# Altium PCB fastic-readout.PcbDoc (part 3 of 6) (continued)
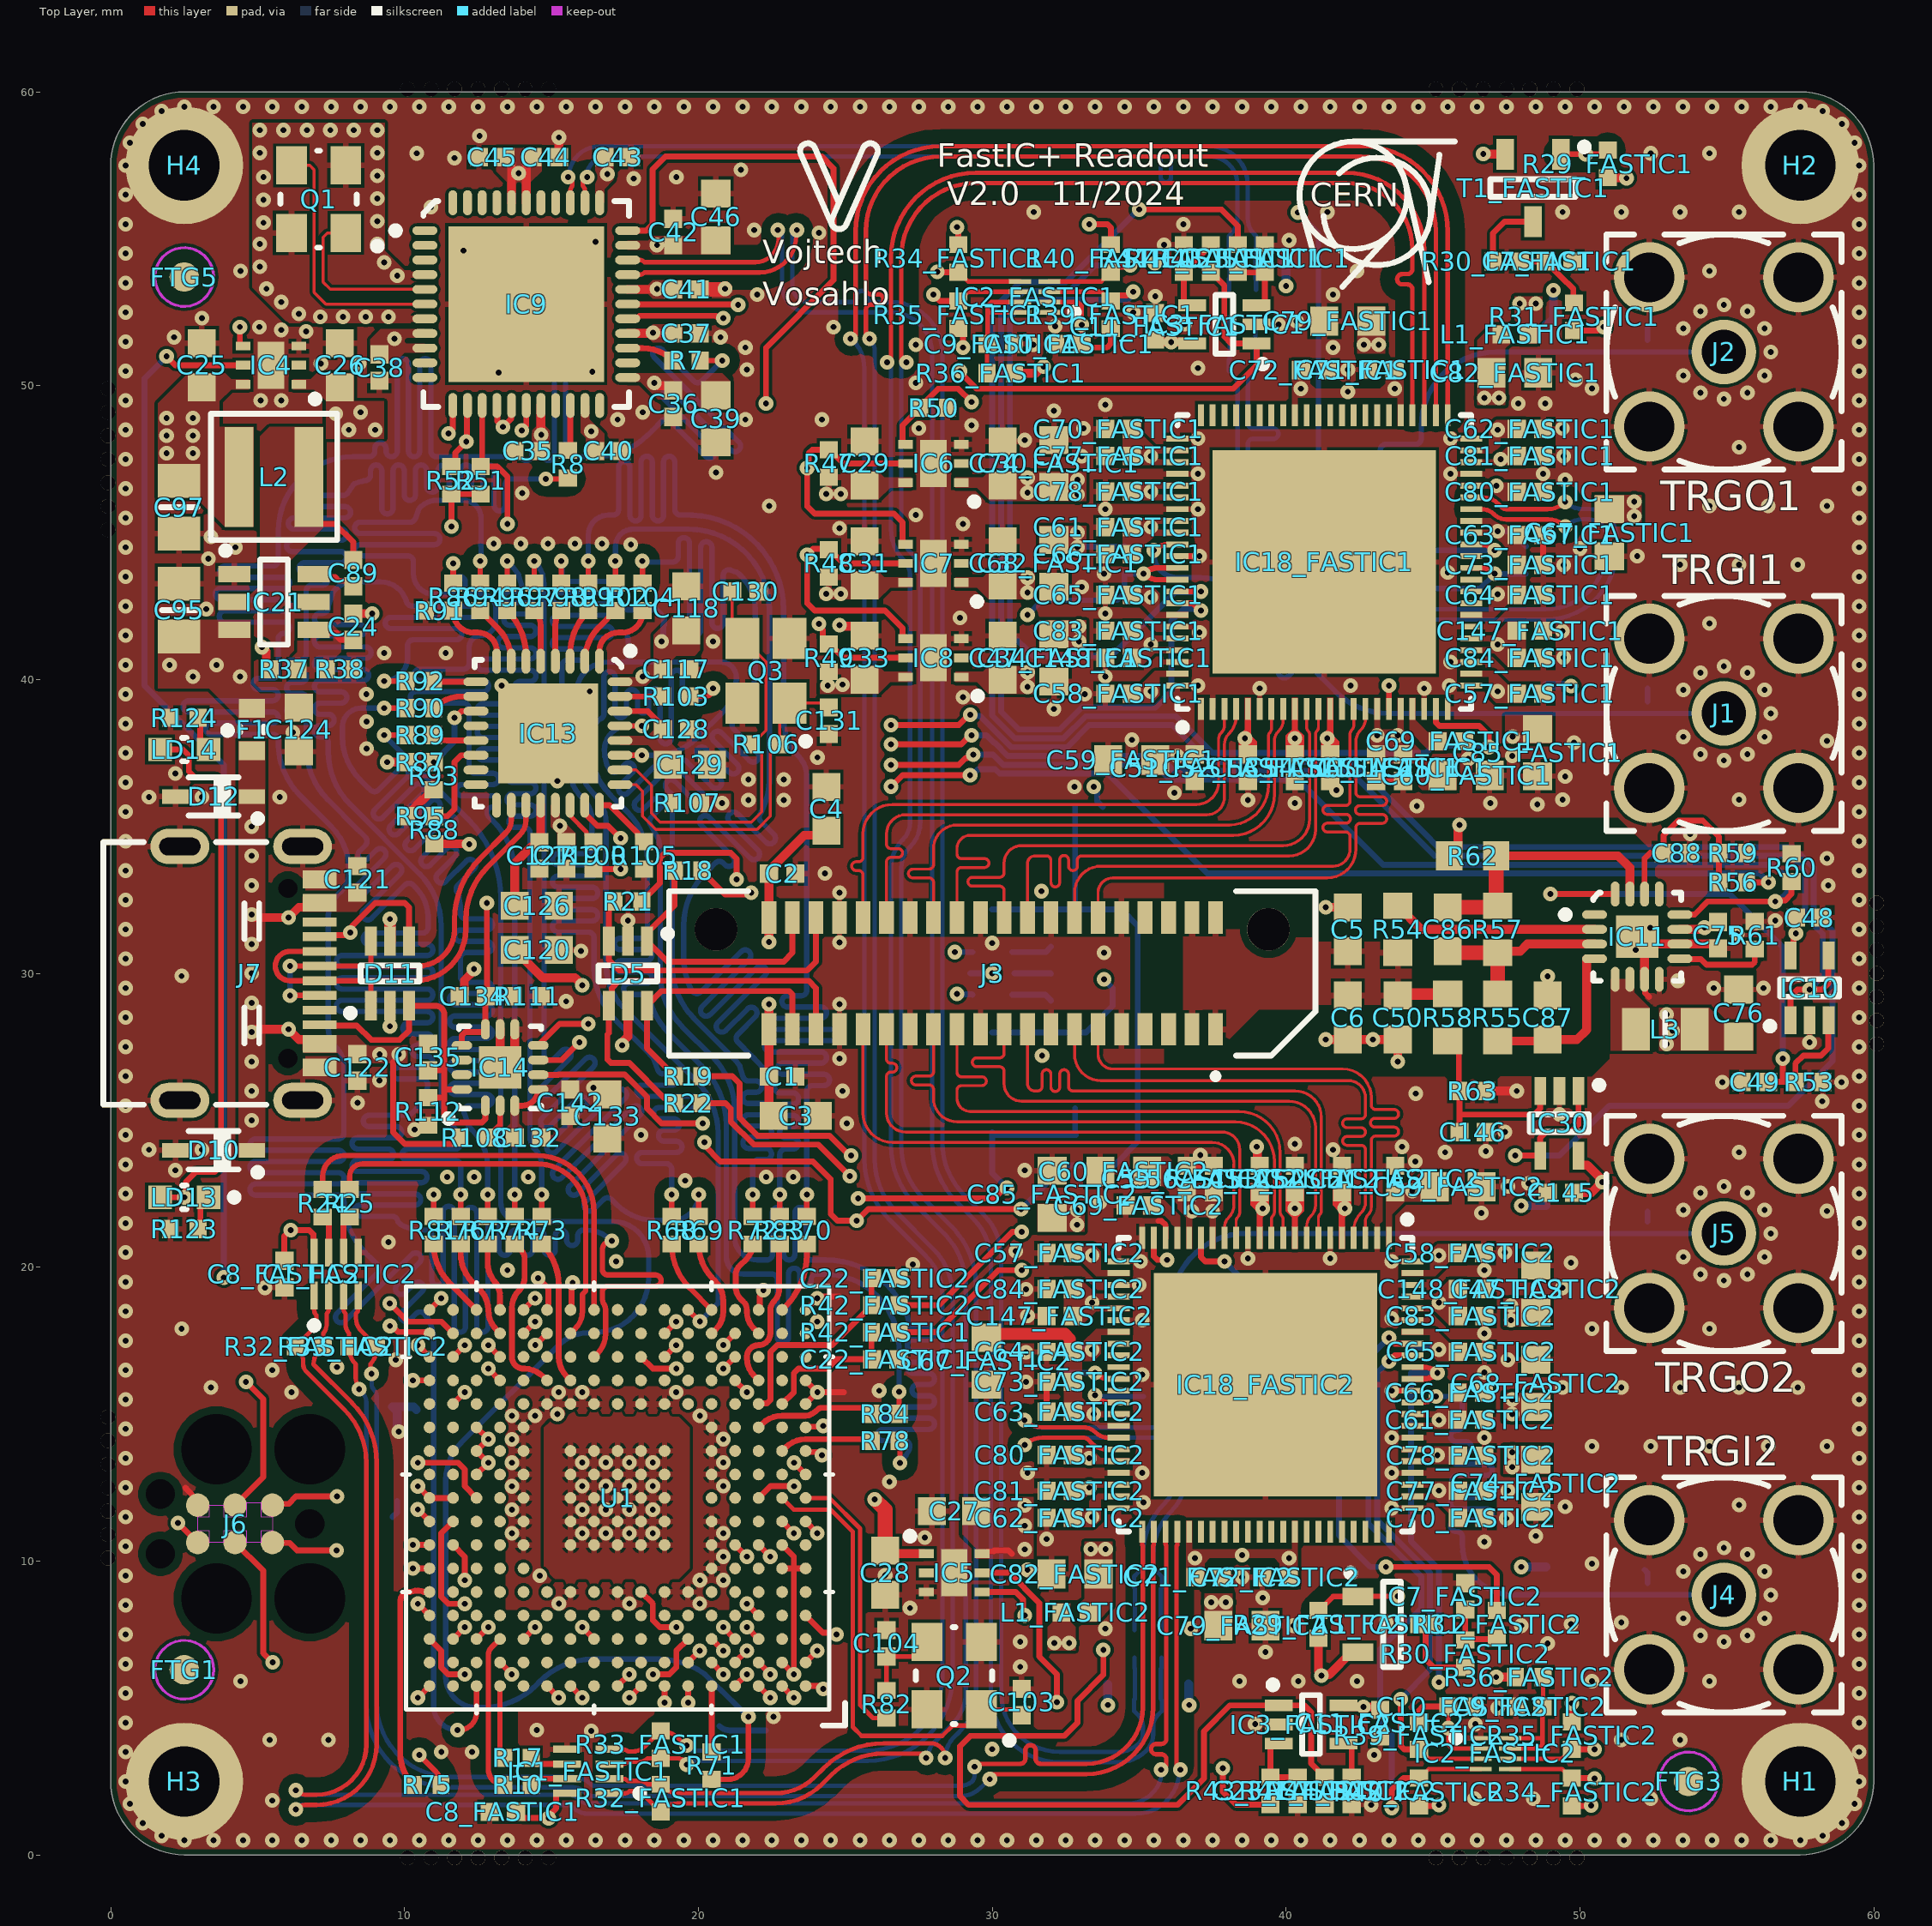
[diagram p0: Top Layer view]
## Nets (pads, with @x,y where several pads share a name; then routed paths per layer and width w, separated by ;. In a path a pad name is that pad's centre, name@x,y a point inside that pad or via, vN(x,y) a via of type N, cw(c..) or ccw(c..) an arc to the next point about the centre after c; other vN are vias at no path point) (continued)
IN3_FASTIC1: IC18_FASTIC1.8 J3.24 | length 19.1
  Top Layer w0.1: J3.24@28.8,31.9 28.8,33.107 28.8,33.457 cw(c28.95,33.457) 28.95,33.607 29.736,33.607 ccw(c29.736,33.757) 29.736,33.907 28.95,33.907 cw(c28.95,34.057) 28.8,34.057 28.8,34.25 cw(c29.25,34.25) 28.8,34.258 cw(c29.25,34.25) 29.25,34.7 38.2,34.7 ccw(c38.2,36.1) 39.6,36.1 39.6,37.9 cw(c40.083,37.9) 39.741,38.241 39.75,38.25 ccw(c39.388,38.612) 39.9,38.612 IC18_FASTIC1.8@39.9,39
IN3_FASTIC2: IC18_FASTIC2.8 J3.19 | length 19
  Top Layer w0.1: J3.19@30.4,28.1 30.4,27.55 30.4,27.275 cw(c30.25,27.275) 30.25,27.125 29.471,27.125 ccw(c29.471,26.975) 29.471,26.825 30.25,26.825 cw(c30.25,26.675) 30.4,26.675 30.4,26.625 30.4,26.25 ccw(c31,26.25) 31,25.65 40.1,25.65 cw(c40.1,24.75) 41,24.75 41,22.1 cw(c40.517,22.1) 40.859,21.759 40.85,21.75 ccw(c41.212,21.388) 40.7,21.388 IC18_FASTIC2.8@40.7,21
IN4_FASTIC1: IC18_FASTIC1.10 J3.20 | length 19.1
  Top Layer w0.1: J3.20@30.4,31.9 30.4,32.77 30.4,32.82 ccw(c30.25,32.82) 30.25,32.97 29.324,32.97 cw(c29.324,33.12) 29.324,33.27 30.25,33.27 ccw(c30.25,33.42) 30.4,33.42 30.4,33.669 30.4,33.75 cw(c31,33.75) 31,34.35 39.9,34.35 ccw(c39.9,35.25) 40.8,35.25 40.8,38.129 ccw(c40.629,38.129) 40.75,38.25 cw(c40.871,38.371) 40.7,38.371 IC18_FASTIC1.10@40.7,39
IN4_FASTIC2: IC18_FASTIC2.10 J3.23 | length 19.1
  Top Layer w0.1: J3.23@28.8,28.1 28.8,26.681 28.8,26.631 ccw(c28.95,26.631) 28.95,26.481 29.647,26.481 cw(c29.647,26.331) 29.647,26.181 28.95,26.181 ccw(c28.95,26.031) 28.8,26.031 28.8,25.795 28.8,25.75 ccw(c29.25,25.75) 29.25,25.3 38.4,25.3 cw(c38.4,23.9) 39.8,23.9 39.8,21.871 ccw(c39.971,21.871) 39.85,21.75 cw(c39.729,21.629) 39.9,21.629 IC18_FASTIC2.10@39.9,21
IN5_FASTIC1: IC18_FASTIC1.11 J3.18 | length 19.1
  Top Layer w0.1: J3.18@31.2,31.9 31.2,33.75 cw(c31.45,33.75) 31.45,34 31.496,34 31.846,34 cw(c31.846,33.85) 31.996,33.85 31.996,33.095 ccw(c32.146,33.095) 32.296,33.095 32.296,33.866 cw(c32.446,33.866) 32.596,33.866 32.596,33.651 ccw(c32.746,33.651) 32.896,33.651 32.896,33.85 cw(c33.046,33.85) 33.046,34 33.286,34 40.104,34 ccw(c40.104,34.896) 41,34.896 41,38.129 cw(c41.171,38.129) 41.05,38.25 ccw(c40.929,38.371) 41.1,38.371 IC18_FASTIC1.11@41.1,39
IN5_FASTIC2: IC18_FASTIC2.11 J3.25 | length 19.1
  Top Layer w0.1: J3.25@28,28.1 28,27.004 28,26.654 cw(c27.85,26.654) 27.85,26.504 27.397,26.504 ccw(c27.397,26.354) 27.397,26.204 27.85,26.204 cw(c27.85,26.054) 28,26.054 28,25.753 28,25.75 ccw(c28.8,25.75) 28.8,24.95 38.272,24.95 cw(c38.25,23.6) 39.6,23.6 39.6,21.871 cw(c39.429,21.871) 39.55,21.75 ccw(c39.671,21.629) 39.5,21.629 IC18_FASTIC2.11@39.5,21
IN6_FASTIC1: IC18_FASTIC1.14 J3.14 | length 19.1
  Top Layer w0.1: J3.14@32.8,31.9 32.8,32.75 cw(c33.7,32.75) 33.7,33.65 41.6,33.65 ccw(c41.6,34.225) 42.175,34.225 42.175,34.614 42.175,34.664 ccw(c42.025,34.664) 42.025,34.814 41.403,34.814 cw(c41.403,34.964) 41.403,35.114 42.038,35.114 ccw(c42.038,35.264) 42.038,35.414 41.403,35.414 cw(c41.403,35.564) 41.403,35.714 42.025,35.714 ccw(c42.025,35.864) 42.175,35.864 42.175,36.211 42.175,38.119 cw(c42.431,38.119) 42.25,38.3 ccw(c42.129,38.421) 42.3,38.421 IC18_FASTIC1.14@42.3,39
IN6_FASTIC2: IC18_FASTIC2.14 J3.29 | length 19.1
  Top Layer w0.1: J3.29@26.4,28.1 26.4,27.143 26.4,27.093 ccw(c26.55,27.093) 26.55,26.943 26.603,26.943 cw(c26.603,26.793) 26.603,26.643 26.55,26.643 ccw(c26.55,26.493) 26.4,26.493 26.4,25.878 26.4,25.25 ccw(c27.05,25.25) 27.05,24.6 37.825,24.6 cw(c37.825,24.004) 38.421,24.004 38.425,24.004 38.425,21.881 cw(c38.169,21.881) 38.35,21.7 ccw(c38.471,21.579) 38.3,21.579 IC18_FASTIC2.14@38.3,21
IN7_FASTIC1: IC18_FASTIC1.15 J3.12 | length 19
  Top Layer w0.1: J3.12@33.6,31.9 33.6,32.75 cw(c34.1,32.75) 34.1,33.25 41.398,33.25 ; 41.399,33.25 ccw(c41.399,34.226) 42.335,33.95 ccw(c41.399,34.226) 42.375,34.226 42.375,34.609 42.375,34.959 cw(c42.525,34.959) 42.525,35.109 43.274,35.109 ccw(c43.274,35.259) 43.274,35.409 42.507,35.409 cw(c42.507,35.559) 42.507,35.709 43.274,35.709 ccw(c43.274,35.859) 43.274,36.009 42.525,36.009 cw(c42.525,36.159) 42.375,36.159 42.375,36.619 42.375,37.878 cw(c42.972,37.878) 42.55,38.3 ccw(c42.188,38.662) 42.7,38.662 IC18_FASTIC1.15@42.7,39
IN7_FASTIC2: IC18_FASTIC2.15 J3.31 | length 19.1
  Top Layer w0.1: J3.31@25.6,28.1 25.6,25.25 ccw(c26.6,25.25) 26.6,24.25 37.475,24.25 cw(c37.475,23.5) 38.225,23.5 38.225,22.122 cw(c37.628,22.122) 38.05,21.7 ccw(c38.412,21.338) 37.9,21.338 IC18_FASTIC2.15@37.9,21
INTn: IC9.33 U1.C4 | length 70.5
  Top Layer w0.2: IC9.33@17.898,55.313 17.623,55.313 IC9.33@17.59,55.28 18.219,55.28 18.439,55.5 18.439,57.362 18.877,57.8 24.2,57.8 24.6,57.4 24.6,53.594 22.3,51.294 v1(22.3,49.4) ; v1(20.85,7.746) U1.C4@21.248,7.348
  L05 - Signal w0.2: v1(20.85,7.746) 20.85,8.531 21.769,9.45 25.019,9.45 25.09,9.45 28.1,12.46 28.1,12.531 28.1,16.387 26.7,17.787 26.7,20.213 27.335,20.848 27.335,23.857 26.55,24.642 26.55,32.71 27.25,33.41 27.25,38.463 26.95,38.763 26.95,44.055 26.1,44.905 26.1,46.89 26.1,47.745 24.445,49.4 v1(22.3,49.4)
LED_STAT_B: LD15.1 U1.B3 | length 42.1
  Top Layer w0.2: U1.B3@22.048,6.548 v1(22.446,6.15)
  L05 - Signal w0.2: v1(22.446,6.15) 21.941,5.646 21.351,5.646 20.802,5.097 20.802,4.303 21.507,3.598 24.793,3.598 30.55,9.355 30.55,17.401 29.95,18.001 29.95,27.709 30.65,28.409 30.65,31.342 30.249,31.743 28.943,31.743 28.65,31.45 v1@28.65,30.732
  Bottom Layer w0.2: v1@28.65,30.73 28.655,30.725 LD15.1@29.325,30.725
  other v1: 28.727,30.725
LED_STAT_G: LD15.5 U1.A2 | length 30.6
  Top Layer w0.2: U1.A2@22.848,5.748 v1(23.246,5.35)
  L05 - Signal w0.2: v1(23.246,5.35) 23.246,4.854 23.717,4.383 24.483,4.383 29.85,9.75 29.85,17.112 29.25,17.712 29.25,28.85 v1(28.8,29.3)
  Bottom Layer w0.2: v1(28.8,29.3) 28.812,29.288 29.313,29.288 LD15.5@29.325,29.275
LED_STAT_R: LD15.3 U1.A3 | length 35.7
  Top Layer w0.2: U1.A3@22.048,5.748 v1(22.446,5.35)
  L05 - Signal w0.2: v1(22.446,5.35) 22.391,5.296 21.496,5.296 21.152,4.952 21.152,4.448 21.652,3.948 24.648,3.948 30.2,9.5 30.2,17.257 29.6,17.857 29.6,29.6 v1(30,30)
  Bottom Layer w0.2: LD15.3@29.25,30 v1(30,30)
LED_USB: LD13.2 LD14.2 U1.T16 | length 31.7
  Top Layer w0.2: LD13.2@1.675,22.38 v1(2.5,22.38) 2.557,22.437 2.557,22.907 2.9,23.25 3.539,23.25 3.75,23.461 3.75,36.487 3.567,36.67 2.862,36.67 2.657,36.874 2.657,37.416 2.453,37.62 LD14.2@1.675,37.62 ; v1(9.489,18.766) 10.107,18.148 11.248,18.148 U1.T16@11.648,17.748
  L05 - Signal w0.2: v1(2.5,22.38) 2.5,21.17 3.02,20.65 4.2,20.65 4.6,20.25 4.6,18.8 5.05,18.35 9.073,18.35 v1(9.489,18.766)
LOLn: IC9.27 U1.D3 | length 56.4
  Top Layer w0.2: IC9.27@17.59,52.28 17.892,52.28 17.992,52.38 20.583,52.38 20.605,52.357 20.793,52.357 v1(20.85,52.3) ; v1(21.65,8.546) U1.D3@22.048,8.148
  L05 - Signal w0.2: v1(20.85,52.3) 20.9,52.25 21.436,52.25 21.506,52.18 22.16,52.18 26.45,47.89 26.45,45.05 27.3,44.2 27.3,38.908 27.6,38.608 27.6,33.265 27.177,32.842 27.177,28.731 27.85,28.058 27.85,17.132 28.45,16.532 28.45,12.6 28.45,12.315 25.235,9.1 24.95,9.1 22.204,9.1 v1(21.65,8.546)
LOSn: IC9.28 U1.C3 | length 58.9
  Top Layer w0.2: IC9.28@17.59,52.78 17.605,52.765 21.335,52.765 v1(21.35,52.75) ; v1(21.65,7.746) U1.C3@22.048,7.348
  L05 - Signal w0.2: v1(21.35,52.75) 21.431,52.75 21.651,52.53 22.305,52.53 26.8,48.035 26.8,45.195 27.65,44.345 27.65,39.053 27.95,38.753 27.95,33.12 27.527,32.697 27.527,28.876 28.2,28.203 28.2,17.277 28.8,16.677 28.8,10.216 27.882,9.298 26.853,9.298 26.305,8.75 22.654,8.75 v1(21.65,7.746)
LVDS2_N: IC9.30 R1.1 R4.1 R129.2 | length 70.7
  Top Layer w0.15: IC9.30@17.59,53.78 17.984,53.78 ccw(c17.984,54.036) 18.165,53.855 22.083,53.855 ccw(c22.083,55.097) 23.325,55.097 v1@23.325,55.3
  Bottom Layer w0.15: v1@23.325,55.3 ccw(c23.325,55.175) 23.2,55.175 23.2,53.4 ccw(c23.75,53.4) 23.75,52.85 24.866,52.85 25.219,52.85 ccw(c25.219,53.025) 25.394,53.025 25.394,53.056 cw(c25.569,53.056) 25.569,53.231 cw(c25.569,53.056) 25.744,53.056 25.744,53.025 ccw(c25.919,53.025) 25.919,52.85 26.344,52.85 26.544,52.85 cw(c26.544,51.094) 28.3,51.094 28.3,37.356 28.3,24.252 ccw(c30.84,24.252) 29.044,22.456 29.703,21.797 cw(c28.26,20.355) 29.704,21.796 cw(c28.26,20.355) 30.3,20.355 30.3,5.5 ccw(c32.3,5.5) 32.3,3.5 34.276,3.5 ; 34.3,3.5 34.276,3.5 ; R4.1@34.84,6.716 34.84,6.38 ccw(c34.908,6.38) 34.86,6.331 R1.1@34.86,5.816 34.86,5.354 cw(c34.758,5.354) 34.83,5.281 R129.2@34.83,4.896 34.966,4.76 cw(c34.582,4.376) 35.125,4.376 35.125,4.102 cw(c34.698,4.102) 35,3.8 cw(c34.276,4.524) 34.276,3.5
  other v1: 23.35,55.3
LVDS2_P: IC9.31 R2.1 R3.1 R129.1 | length 70.6
  Top Layer w0.15: IC9.31@17.59,54.28 17.984,54.28 cw(c17.984,54.024) 18.165,54.205 21.938,54.205 ccw(c21.938,54.992) 22.725,54.992 v1@22.725,55.3
  Bottom Layer w0.15: v1@22.725,55.3 cw(c22.725,55.175) 22.85,55.175 22.85,53.4 ccw(c23.75,53.4) 23.75,52.5 26.544,52.5 cw(c26.544,51.094) 27.95,51.094 27.95,37.501 27.95,24.252 ccw(c30.84,24.252) 28.796,22.209 29.353,21.653 cw(c27.91,20.21) 29.95,20.21 29.95,5.5 ccw(c32.3,5.5) 32.3,3.15 34.276,3.15 ; R3.1@35.76,6.716 35.76,6.38 cw(c35.692,6.38) 35.74,6.331 R2.1@35.74,5.816 35.74,5.311 cw(c35.668,5.239) 35.77,5.239 R129.1@35.77,4.896 35.634,4.76 ccw(c36.018,4.376) 35.475,4.376 35.475,4.102 cw(c34.698,4.102) 35.247,3.553 cw(c34.276,4.524) 34.3,3.15 ; 34.276,3.15 ccw(c34.276,4.524) 34.3,3.15 ; 34.276,3.15 34.3,3.15
  other v1: 22.7,55.3
LVDS3_N: IC9.35 R11.1 R14.1 R130.2 | length 29.2
  Top Layer w0.15: IC9.35@16.14,56.23 16.14,56.624 ccw(c15.884,56.624) 16.065,56.805 16.065,57 16.147,57.082 cw(c16.19,57.04) v1@16.19,57.1
  Bottom Layer w0.15: v1@16.19,57.1 cw(c16.89,57.1) 16.89,57.8 21.258,57.8 33.6,57.8 35.133,57.8 35.558,57.8 cw(c35.558,57.625) 35.733,57.625 35.733,57.1 ccw(c35.908,57.1) 35.908,56.925 ccw(c35.908,57.1) 36.083,57.1 36.083,57.625 cw(c36.258,57.625) 36.258,57.8 36.8,57.8 37.4,57.8 cw(c37.4,56.856) 38.344,56.856 38.344,55.696 cw(c37.593,55.696) 38.124,55.165 R130.2@38.049,55.09 38.049,54.705 cw(c38.049,54.675) 38.079,54.675 R11.1@38.079,54.17 38.079,53.655 cw(c38.059,53.655) 38.059,53.635 R14.1@38.059,53.27
  other v1: 16.215,57.1
LVDS3_P: IC9.36 R12.1 R13.1 R130.1 | length 29.1
  Top Layer w0.15: v1@15.59,57.1 cw(c15.59,57.04) 15.633,57.082 15.715,57 15.715,56.805 ccw(c15.896,56.624) 15.64,56.624 IC9.36@15.64,56.23
  Bottom Layer w0.15: v1@15.59,57.1 cw(c16.64,57.1) 16.64,58.15 21.258,58.15 33.6,58.15 37.4,58.15 cw(c37.4,56.856) 38.694,56.856 38.694,55.696 ccw(c39.446,55.696) 38.914,55.165 R130.1@38.989,55.09 38.989,54.705 ccw(c38.989,54.675) 38.959,54.675 R12.1@38.959,54.17 38.959,53.635 cw(c38.959,53.615) 38.979,53.615 R13.1@38.979,53.27
  other v1: 15.565,57.1
NetC7_FASTIC1_2: C7_FASTIC1.2 R30_FASTIC1.2 R31_FASTIC1.1 | length 2.7
  Top Layer w0.2: R30_FASTIC1.2@47.98,54.23 C7_FASTIC1.2@48.84,54.23 49.23,53.84 49.23,53.837 49.347,53.72 49.35,53.72 49.777,53.293 49.777,52.843 R31_FASTIC1.1@49.8,52.82
NetC7_FASTIC2_2: C7_FASTIC2.2 R30_FASTIC2.2 R31_FASTIC2.1 | length 2.1
  Top Layer w0.2: C7_FASTIC2.2@46.1,8.346 R30_FASTIC2.2@46.1,7.316 46.13,7.346 47.145,7.346 R31_FASTIC2.1@47.175,7.376
NetC9_FASTIC1_1: C9_FASTIC1.1 IC2_FASTIC1.7 IC2_FASTIC1.8 R36_FASTIC1.1 | length 4.6
  Top Layer w0.15: R36_FASTIC1.1@29.824,50.424 29.824,51.404 C9_FASTIC1.1@29.844,51.424 29.844,52.474 ; IC2_FASTIC1.8@30.944,52.499 29.869,52.499 29.844,52.474 ; IC2_FASTIC1.7@30.944,52.849 29.969,52.849 29.844,52.724 29.844,52.474
NetC9_FASTIC2_1: C9_FASTIC2.1 IC2_FASTIC2.7 IC2_FASTIC2.8 R36_FASTIC2.1 | length 4.6
  Top Layer w0.15: IC2_FASTIC2.7@47.625,3.625 48.6,3.625 48.725,3.75 48.725,4 ; IC2_FASTIC2.8@47.625,3.975 48.7,3.975 48.725,4 ; R36_FASTIC2.1@48.745,6.05 48.745,5.07 C9_FASTIC2.1@48.725,5.05 48.725,4
NetC23_FASTIC1_2: C23_FASTIC1.2 IC3_FASTIC1.3 R43_FASTIC1.2 | length 2.3
  Top Layer w0.2: R43_FASTIC1.2@38.358,53.874 38.378,53.854 39.278,53.854 39.278,52.814 39.178,52.714 IC3_FASTIC1.3@38.998,52.714
NetC23_FASTIC2_2: C23_FASTIC2.2 IC3_FASTIC2.3 R43_FASTIC2.2 | length 2.3
  Top Layer w0.2: IC3_FASTIC2.3@39.75,3.788 39.57,3.788 39.47,3.688 R43_FASTIC2.2@39.47,2.648 40.37,2.648 C23_FASTIC2.2@40.39,2.628
NetC24_1: C24.1 IC21.4 R37.1 R38.2 | length 1.5
  Top Layer w0.2: IC21.4@6.905,41.69 7.022,41.573 7.705,41.573 7.705,41.467 7.822,41.35 C24.1@8.25,41.35
NetC69_FASTIC1_1: C69_FASTIC1.1 IC18_FASTIC1.19
NetC69_FASTIC2_1: C69_FASTIC2.1 IC18_FASTIC2.19
NetC80_FASTIC1_1: C80_FASTIC1.1 C81_FASTIC1.1 C82_FASTIC1.1 IC18_FASTIC1.40 IC18_FASTIC1.42 L1_FASTIC1.1
  other v1: 47.158,46.591 47.3,47.5 46.745,49.59 47.245,49.59
NetC80_FASTIC2_1: C80_FASTIC2.1 C81_FASTIC2.1 C82_FASTIC2.1 IC18_FASTIC2.40 IC18_FASTIC2.42 L1_FASTIC2.1
  other v1: 33.355,10.41 33.855,10.41 33.3,12.5 33.3,13.5
NetC86_1: C86.1 IC11.15 R57.1 R62.2 | length 9.1
  Top Layer w0.3: R62.2@47.15,34 51.3,34 51.7,33.6 IC11.15@51.7,32.7
  Top Layer w0.5: C86.1@45.5,32.25 47.15,32.25 R57.1@47.2,32.3 47.15,32.35 R62.2@47.15,34
NetC86_2: C86.2 IC11.3 R55.1 R57.2 | length 6.5
  Top Layer w0.3: R57.2@47.2,30.7 47.259,30.759 47.974,30.759 48.215,31 IC11.3@50.5,31
  Top Layer w0.5: C86.2@45.5,30.75 45.55,30.7 R57.2@47.2,30.7 R55.1@47.2,29.3
NetC87_2: C87.2 IC11.4 R55.2 | length 5.9
  Top Layer w0.3: R55.2@47.2,27.7 48.85,27.7 C87.2@48.9,27.75 49.9,27.75 50.225,28.075 50.225,30.5 IC11.4@50.5,30.5
NetC88_2: C88.2 IC11.14 R56.2 R59.2 | length 6.4
  Top Layer w0.2: IC11.14@52.2,32.7 52.2,33.91 52.39,34.1 C88.2@52.85,34.1 52.85,34.7 53.35,35.2 54.183,35.2 54.73,34.653 R59.2@54.73,34.1 R56.2@54.73,33.1
NetC89_1: C89.1 IC21.6 | length 1.5
  Top Layer w0.2: IC21.6@6.905,43.59 7.013,43.482 7.638,43.482 7.758,43.362 8.058,43.362 C89.1@8.25,43.17
NetC89_2: C89.2 IC21.2 L2.1 | length 3.7
  Top Layer w0.2: L2.1@6.74,46.9 6.74,45.69 7.13,45.3 7.63,45.3 8.25,44.68 C89.2@8.25,44.07
NetC94_2: C94.2 C96.2 C136.2 U1.A7 U1.D17 U1.U11 | length 29.8
  Top Layer w0.2: v1(10.45,8.546) U1.D17@10.848,8.148 ; U1.U11@15.648,18.548 15.683,18.583 15.683,19.441 v1(15.718,19.476) ; v1(18.848,5.185) U1.A7@18.848,5.748
  L04- Signal w0.5: v1(10.45,8.546) 11.25,9.346 11.25,10.158 ; v1(15.718,19.476) 14.594,20.6 12.8,20.6 11.896,19.696 11.896,18.677 11.25,18.031 11.25,10.158 ; v1(18.848,5.185) 18.848,5.624 19.1,5.877 19.1,6.592 18.392,7.3 17.6,7.3 15.919,8.981 15.919,9.773 15.534,10.158 11.25,10.158
NetC99_1: C99.1 C100.2 U1.M1 | length 0.6
  Top Layer w0.2: U1.M1@23.648,14.548 23.674,14.574 24.224,14.574 v1(24.25,14.6)
NetC103_2: C103.2 Q2.1 U1.J2 | length 15.9
  Top Layer w0.15: U1.J2@22.848,12.148 23.246,11.75 24.5,11.75 25.25,11 25.25,4.35 25.55,4.05 28.297,4.05 28.65,4.402 29.175,4.402 29.625,4.852 Q2.1@29.625,4.95 30.8,4.95 C103.2@31,4.75
NetC104_2: C104.2 Q2.3 R82.1 | length 2.8
  Top Layer w0.15: R82.1@26.4,5.6 C104.2@26.4,6.75 27.325,6.75 27.775,7.2 Q2.3@27.775,7.25
NetC126_2: C126.2 C127.2 IC13.20 | length 3.9
  Top Layer w0.3: C126.2@13.75,32.3 13.75,33.75 14.305,34.305 14.427,34.305 C127.2@14.587,34.465 ccw(c14.483,34.569) 14.63,34.569 IC13.20@14.63,35.725
NetC128_2: C128.2 C129.2 IC13.28 IC13.30 R107.1 | length 1.8
  Top Layer w0.2: IC13.30@17.33,38.925 18.275,38.925 18.79,38.41 C128.2@18.79,38.31
NetC130_2: C130.2 IC13.26 Q3.3 R106.1 | length 14.6
  Top Layer w0.1: IC13.26@17.33,36.925 17.875,36.925 18.4,36.4 18.4,35.45 18.7,35.15 21.8,35.15 22.15,35.5 22.15,37.48 R106.1@21.83,37.8 22.3,38.27 22.3,40.6 Q3.3@21.5,41.4 21.15,41.75 C130.2@21.15,43
NetC131_2: C131.2 IC13.25 Q3.1 R106.2 | length 12
  Top Layer w0.1: IC13.25@17.33,36.425 17.875,36.425 18.1,36.2 18.1,35.35 18.55,34.9 22,34.9 22.45,35.35 22.45,37.48 R106.2@22.77,37.8 22.77,38.87 Q3.1@23.1,39.2 24.29,39.2 C131.2@24.44,39.05
NetC146_2: C146.2 IC30.3 R58.1 R63.2 | length 6.7
  Top Layer w0.2: R58.1@45.55,27.65 45.58,27.65 45.88,27.35 R63.2@45.88,26 45.9,26 45.9,25.195 ; C146.2@45.9,24.6 45.9,25.195 ; IC30.3@48.65,26 48.65,25.4 48.445,25.195 45.9,25.195
NetD1_3: D1.3 D2.2 IC18_FASTIC1.76 J1.1 R9.2 | length 25.8
  Top Layer w0.182: v1(35.5,44.4) cw(c35.983,43.917) 35.983,44.6 IC18_FASTIC1.76@36.3,44.6
  Bottom Layer w0.182: v1(35.5,44.4) 35.5,44.27 ccw(c36.3,44.27) R9.2@36.3,43.47 37.094,43.47 cw(c37.094,41.709) 38.159,43.111 cw(c38.048,42.967) 38.177,43.096 39.336,41.936 39.401,41.872 39.671,41.602 cw(c39.536,41.467) 39.671,41.332 39.263,40.924 ccw(c39.398,40.789) 39.263,40.654 ccw(c39.398,40.789) 39.533,40.654 39.967,41.087 cw(c40.102,40.952) 40.237,41.087 cw(c40.102,40.952) 40.237,40.817 39.803,40.383 ccw(c39.938,40.248) 39.803,40.113 ccw(c39.938,40.248) 40.073,40.113 40.481,40.521 cw(c40.616,40.386) 40.751,40.521 41.155,40.117 41.22,40.053 41.679,39.594 ccw(c43.475,41.39) 43.475,38.85 D1.3@51.15,38.85 D2.2@52.3,38.85 J1.1@54.9,38.85
NetD3_3: D3.3 D4.2 J2.1 R20.2 | length 22.5
  Bottom Layer w0.182: R20.2@44.6,45.34 44.6,45.817 44.6,45.908 ccw(c44.409,45.908) 44.409,46.099 43.402,46.099 cw(c43.402,46.29) 43.402,46.481 44.432,46.481 ccw(c44.432,46.672) 44.432,46.863 43.402,46.863 cw(c43.402,47.054) 43.402,47.245 44.432,47.245 ccw(c44.432,47.436) 44.432,47.627 43.402,47.627 cw(c43.402,47.818) 43.402,48.009 44.409,48.009 ccw(c44.409,48.2) 44.6,48.2 44.6,48.586 44.6,48.61 cw(c47.14,48.61) 47.14,51.15 D3.3@51.15,51.15 D4.2@52.3,51.15 J2.1@54.9,51.15
NetD5_1: D5.1 J3.38 R18.2 | length 9.3
  Top Layer w0.2: R18.2@19.18,33.5 19.18,32.305 18.25,31.375 D5.1@18.25,31.1 18.95,30.4 22.9,30.4 23.2,30.7 J3.38@23.2,31.9
NetD5_3: D5.3 J3.36 R21.2 | length 11.2
  Top Layer w0.2: R21.2@17.13,32.65 16.95,32.65 D5.3@16.95,31.1 16.95,30.45 17.3,30.1 23.7,30.1 24,30.4 J3.36@24,31.9
NetD5_4: D5.4 J3.35 R22.1 | length 13.9
  Top Layer w0.2: R22.1@19.18,25.58 19.01,25.75 18.85,25.75 17.65,26.95 17.017,26.95 16.9,27.067 16.9,27.919 16.95,27.969 D5.4@16.95,28.9 17.05,29 17.05,29.5 17.3,29.75 23.75,29.75 24,29.5 J3.35@24,28.1
NetD5_6: D5.6 J3.37 R19.1 | length 9.2
  Top Layer w0.2: R19.1@19.18,26.5 19.18,26.52 18.25,27.45 D5.6@18.25,28.9 18.75,29.4 23.083,29.4 23.2,29.283 J3.37@23.2,28.1
NetD6_3: D6.3 D7.2 IC18_FASTIC2.76 J4.1 R23.2 | length 25.8
  Top Layer w0.182: IC18_FASTIC2.76@44.3,15.4 44.617,15.4 ccw(c44.617,16.083) v1(45.1,15.6)
  Bottom Layer w0.182: v1(45.1,15.6) R23.2@46,15.6 46,15.597 46,14.637 cw(c45.809,14.637) 45.809,14.446 45.784,14.446 ccw(c45.784,14.255) 45.784,14.064 46.118,14.064 cw(c46.118,13.873) 46.118,13.682 45.784,13.682 ccw(c45.784,13.491) 45.784,13.3 46.831,13.3 cw(c46.831,13.109) 46.831,12.918 45.832,12.918 ccw(c45.832,12.727) 45.832,12.536 46.831,12.536 cw(c46.831,12.345) 46.831,12.154 45.784,12.154 ccw(c45.784,11.963) 45.784,11.772 46.831,11.772 cw(c46.831,11.581) 46.831,11.39 45.784,11.39 ccw(c45.784,11.199) 45.784,11.008 45.809,11.008 cw(c45.809,10.817) 46,10.817 46,10.726 46,10.55 ccw(c47.7,10.55) 47.7,8.85 D6.3@51.15,8.85 D7.2@52.3,8.85 J4.1@54.9,8.85
NetD8_3: D8.3 D9.2 J5.1 R26.2 | length 23.3
  Bottom Layer w0.182: R26.2@36.09,15.6 36.09,18.61 cw(c38.63,18.61) 38.63,21.15 D8.3@51.15,21.15 D9.2@52.3,21.15 J5.1@54.9,21.15
NetIC1_FASTIC1_6: IC1_FASTIC1.6 R17.1 | length 1.2
  Top Layer w0.2: R17.1@14.313,3.303 14.313,3.283 14.503,3.093 IC1_FASTIC1.6@15.403,3.093
NetIC1_FASTIC1_7: IC1_FASTIC1.7 R10.1 | length 1.2
  Top Layer w0.2: R10.1@14.313,2.383 14.313,2.403 14.503,2.593 IC1_FASTIC1.7@15.403,2.593
NetIC1_FASTIC2_6: IC1_FASTIC2.6 R25.1 | length 1.2
  Top Layer w0.2: IC1_FASTIC2.6@7.919,20.618 7.919,21.518 8.109,21.708 R25.1@8.129,21.708
NetIC1_FASTIC2_7: IC1_FASTIC2.7 R24.1 | length 1.2
  Top Layer w0.2: R24.1@7.209,21.708 7.229,21.708 7.419,21.518 IC1_FASTIC2.7@7.419,20.618
NetIC2_FASTIC1_3: IC2_FASTIC1.3 IC18_FASTIC1.80 R39_FASTIC1.1 | length 26.9
  Top Layer w0.15: IC2_FASTIC1.3@31.944,53.199 33.709,53.199 34.024,52.884 R39_FASTIC1.1@34.034,52.884
  Top Layer w0.2: R39_FASTIC1.1@34.034,52.884 34.224,53.074 34.592,53.074 34.719,53.2 v1(34.8,53.2) ; IC18_FASTIC1.80@36.3,43 v1(37.1,43)
  Bottom Layer w0.2: v1@34.8,53.1 34.624,52.924 31.197,52.924 30.6,52.327 30.6,41.591 31.391,40.8 34.049,40.8 36.229,42.98 37.08,42.98 v1(37.1,43)
NetIC2_FASTIC1_4: IC2_FASTIC1.4 IC18_FASTIC1.81 R40_FASTIC1.1 | length 32.7
  Top Layer w0.15: IC2_FASTIC1.4@31.944,53.549 33.709,53.549 34.024,53.864 R40_FASTIC1.1@34.034,53.864
  Top Layer w0.2: R40_FASTIC1.1@34.034,53.864 34.214,54.044 34.644,54.044 v1(34.7,54.1) ; IC18_FASTIC1.81@36.3,42.6 36.819,42.6 37.019,42.4 v1@37.1,42.4
  Bottom Layer w0.2: v1(34.7,54.1) 33.5,54.1 32.624,53.224 31.072,53.224 30.3,52.451 30.3,38.9 30.9,38.3 32.3,38.3 33.05,39.05 35.55,39.05 36.1,39.6 36.1,42 36.5,42.4 v1@37.1,42.4
  other v1: 37.1,42.35
NetIC2_FASTIC2_3: IC2_FASTIC2.3 IC18_FASTIC2.80 R39_FASTIC2.1 | length 18.2
  Top Layer w0.15: R39_FASTIC2.1@44.525,3.59 44.545,3.59 44.86,3.275 IC2_FASTIC2.3@46.625,3.275
  Top Layer w0.2: v1(43.5,16.8) 43.7,17 IC18_FASTIC2.80@44.3,17 ; v1(43.9,5.3) 43.9,3.707 44.017,3.59 R39_FASTIC2.1@44.525,3.59
  Bottom Layer w0.2: v1(43.5,16.8) 43.1,16.4 43.1,11.4 44.9,9.6 44.9,6.3 v1(43.9,5.3)
NetIC2_FASTIC2_4: IC2_FASTIC2.4 IC18_FASTIC2.81 R40_FASTIC2.1 | length 22.6
  Top Layer w0.15: R40_FASTIC2.1@44.525,2.61 44.545,2.61 44.86,2.925 IC2_FASTIC2.4@46.625,2.925
  Top Layer w0.2: v1(43.5,17.6) 43.7,17.4 IC18_FASTIC2.81@44.3,17.4 ; v1(43.6,1.6) 43.6,2.213 43.997,2.61 R40_FASTIC2.1@44.525,2.61
  Bottom Layer w0.2: v1(43.5,17.6) 42.8,16.9 42.8,11.276 44.6,9.476 44.6,8.4 43.207,7.007 43.207,4.519 43.6,4.126 v1(43.6,1.6)
NetIC3_FASTIC1_1: IC3_FASTIC1.1 R41_FASTIC1.1 R42_FASTIC1.1 | length 53.7
  Top Layer w0.2: R42_FASTIC1.1@26.827,17.786 28.1,17.786 30.214,19.9 v1(31,19.9) ; v1(28.9,50.5) 28.9,50.465 29.465,49.9 38.2,49.9 38.998,50.698 IC3_FASTIC1.1@38.998,51.437 38.131,51.437 37.898,51.67 37.898,53.417 37.648,53.667 37.648,53.687 37.458,53.877 R41_FASTIC1.1@37.438,53.877
  L05 - Signal w0.2: v1(28.9,50.5) 28.384,49.984 28.384,48.267 29.6,47.051 29.6,42.81 30.25,42.16 30.25,32.455 32.35,30.355 32.35,22.607 32.04,22.297 32.04,21.093 32.35,20.783 32.35,20.644 31.606,19.9 v1(31,19.9)
NetIC3_FASTIC1_4: IC3_FASTIC1.4 R41_FASTIC1.2 R44_FASTIC1.2 | length 2.7
  Top Layer w0.2: IC3_FASTIC1.4@36.798,52.737 36.618,52.737 36.518,52.837 R44_FASTIC1.2@36.518,53.864 37.424,54.77 ccw(c37.39,54.804) R41_FASTIC1.2@37.438,54.804
NetIC3_FASTIC2_1: IC3_FASTIC2.1 R41_FASTIC2.1 R42_FASTIC2.1 | length 47.6
  Top Layer w0.2: R42_FASTIC2.1@26.827,18.706 28.193,18.706 30.687,21.2 v1(31,21.2) ; v1(33.781,6.981) 33.781,6.126 32.9,5.246 32.9,4.5 32.45,4.05 29.25,4.05 28.9,3.7 28.9,2 29.2,1.7 36.3,1.7 37.2,2.6 37.2,4.2 38.088,5.088 IC3_FASTIC2.1@39.75,5.088 40.618,5.088 40.85,4.855 40.85,3.108 41.1,2.858 41.1,2.838 41.29,2.648 R41_FASTIC2.1@41.31,2.648
  L05 - Signal w0.2: v1(31,21.2) 30.959,21.159 30.663,21.159 30.3,20.796 30.3,18.3 30.87,17.73 31.643,17.73 32.35,17.023 32.35,8.411 v1(33.781,6.981)
NetIC3_FASTIC2_4: IC3_FASTIC2.4 R41_FASTIC2.2 R44_FASTIC2.2 | length 2.7
  Top Layer w0.2: R41_FASTIC2.2@41.31,1.708 cw(c41.358,1.708) 41.324,1.742 R44_FASTIC2.2@42.23,2.648 42.23,3.688 42.13,3.788 IC3_FASTIC2.4@41.95,3.788
NetIC4_5: IC4.5 U1.T17 | length 43.8
  Top Layer w0.2: v1(1.9,51) 2.2,50.7 IC4.5@4.4,50.7 ; v1(9.5,18) 9.581,18 9.785,17.796 10.636,17.796 10.646,17.786 10.809,17.786 U1.T17@10.848,17.748
  L05 - Signal w0.2: v1@3.85,19.664 3.85,18.65 4.5,18 v1(9.5,18)
  Bottom Layer w0.2: v1(1.9,51) 1.15,50.25 1.15,39.795 3.85,37.095 v1(3.85,19.65)
NetIC5_5: IC5.5 U1.A9 | length 24.9
  Top Layer w0.2: U1.A9@17.248,5.748 v1(17.646,6.146) ; IC5.5@29.755,9.6 30.574,9.6 31.6,8.574 31.6,6.75 32.2,6.15 v1(32.2,5.2)
  L05 - Signal w0.2: v1(17.646,6.146) 17.043,5.543 17.043,4.829 17.58,4.292 19.823,4.292 21.217,2.898 25.083,2.898 27.385,5.2 v1(32.2,5.2)
NetIC6_4: IC6.4 R50.2 U1.A8 | length 69.5
  Top Layer w0.2: v1(17.65,5.35) U1.A8@18.048,5.748 ; IC6.4@26.95,48.005 26.95,48.65 27.53,49.23 R50.2@27.53,49.25 27.53,49.27 28.16,49.9 28.85,49.9 v1(29.3,49.45)
  L05 - Signal w0.2: v1(17.65,5.35) 17.65,4.759 17.767,4.642 19.968,4.642 21.362,3.248 24.938,3.248 27.49,5.8 33.914,5.8 34.39,6.276 34.39,8.51 32.7,10.2 32.7,20.928 32.39,21.238 32.39,22.152 32.7,22.462 32.7,30.5 30.6,32.6 30.6,42.305 29.95,42.955 29.95,47.196 28.798,48.349 28.798,48.883 28.939,49.025 28.943,49.025 29.3,49.381 v1(29.3,49.45)
NetIC6_5: IC6.5 IC7.4 R47.1 U1.J15 | length 64.2
  Top Layer w0.2: v1(10.45,13.346) 10.346,13.346 10.348,13.348 11.813,13.348 12.048,13.114 12.048,12.548 U1.J15@12.448,12.148 ; IC7.4@26.95,44.605 26.95,45.35 26.65,45.65 23.95,45.65 23.7,45.9 v1(23.7,47.2) 23.757,47.257 23.757,47.707 23.875,47.825 24.46,47.825 24.93,47.355 IC6.5@26.95,47.355
  L05 - Signal w0.2: v1(10.45,13.346) 11.972,13.346 12.882,12.436 12.882,10.524 12.999,10.407 14.812,10.407 15,10.595 15,13.613 16.921,15.534 16.921,19.205 17.7,19.984 17.7,21.084 16.704,22.08 16.704,23.326 12.95,27.08 12.95,28.443 14.7,30.193 14.7,30.773 ; 14.7,30.773 14.7,39.227 22.673,47.2 v1(23.7,47.2)
NetIC7_5: IC7.5 IC8.4 R48.1 U1.H17 | length 57.2
  Top Layer w0.2: v1(10.447,11.757) U1.H17@10.845,11.359 ; IC8.4@26.95,41.39 26.95,41.75 26.35,42.35 23.95,42.35 23.7,42.6 v1(23.7,44.25) 23.9,44.45 24.415,44.45 R48.1@24.44,44.425 24.46,44.425 24.93,43.955 IC7.5@26.95,43.955
  L05 - Signal w0.2: v1(10.447,11.757) 11.897,11.757 12.532,11.122 12.532,10.36 12.892,10 14.9,10 15.35,10.45 15.35,13.468 17.271,15.389 17.271,19.06 18.05,19.839 18.05,21 18.05,21.229 17.054,22.225 17.054,23.471 13.3,27.225 13.3,28.298 15.05,30.048 15.05,30.628 15.05,33.52 22.613,41.083 22.613,43.163 v1(23.7,44.25)
NetIC8_5: IC8.5 R49.1 U1.H16 | length 53.2
  Top Layer w0.2: U1.H16@11.648,11.348 11.248,10.948 11.248,8.782 11.482,8.548 11.948,8.548 v1@12,8.6 ; v1@24.23,41.689 24.23,41.4 24.42,41.21 24.46,41.21 24.93,40.74 IC8.5@26.95,40.74
  L05 - Signal w0.2: v1(12.05,8.546) 13.177,8.546 13.631,9 14.993,9 15.766,9.773 18.073,9.773 18.946,10.646 18.946,13.557 17.621,14.881 17.621,18.915 18.4,19.694 18.4,21.124 18.4,21.374 17.404,22.37 17.404,23.616 13.65,27.37 13.65,28.154 15.4,29.904 15.4,30.483 15.4,33.355 16.119,34.074 16.119,34.094 23.868,41.843 24.043,41.843 v1(24.1,41.9)
NetIC9_1: IC9.1
NetIC9_2: IC9.2
NetIC9_3: IC9.3
NetIC9_4: IC9.4 IC9.7 Q1.2 Q1.4
  other v1: 7.125,52.35 7.9,52.35 8.675,52.35 9.45,52.35 6.4,52.45 5.8,52.85 5.3,53.3 9.75,53.75 5.073,54.05 9.3,54.2 5.073,54.825 9.073,54.825 5.198,55.55 9.073,55.6 5.198,56.325 9.073,56.375 5.198,57.1 9.073,57.15 5.073,57.925 9.073,57.925 5.073,58.7 5.873,58.7 6.673,58.7 7.473,58.7 8.273,58.7 9.073,58.7
NetIC9_5: IC9.5 Q1.1 | length 5.9
  Top Layer w0.1: Q1.1@7.998,55.2 7.373,55.2 7.223,55.05 7.223,53.527 7.47,53.28 IC9.5@10.69,53.28
NetIC9_6: IC9.6 Q1.3 | length 8.9
  Top Layer w0.1: Q1.3@6.148,57.5 6.773,57.5 6.923,57.35 6.923,53.177 7.32,52.78 IC9.6@10.69,52.78
NetIC9_10: IC9.10
NetIC9_11: IC9.11
NetIC9_19: IC9.19
NetIC9_20: IC9.20 R8.1 | length 1.6
  Top Layer w0.2: R8.1@15.56,47.8 ccw(c15.367,47.993) 15.64,47.993 IC9.20@15.64,49.33
NetIC9_22: IC9.22
NetIC9_24: IC9.24
NetIC9_25: IC9.25 R7.1 | length 1.6
  Top Layer w0.2: IC9.25@17.59,51.28 18.106,51.28 cw(c18.106,49.846) R7.1@19.12,50.86
NetIC9_37: IC9.37
NetIC9_38: IC9.38
NetIC9_41: IC9.41
NetIC9_42: IC9.42
NetIC9_43: IC9.43
NetIC9_44: IC9.44